# Altium PCB Ctrl_FOC.PcbDoc (part 2 of 2)
Units mil, origin at the board's own origin, x right, y up, seen from the top; angles counter-clockwise.
Board outline 2970 x 1825 mil, 4 copper layers (Top Layer, GND02, PWR03, Bottom Layer), stack 23.756 mil thick; 209 components, 152 nets, 930 pads, 427 vias.
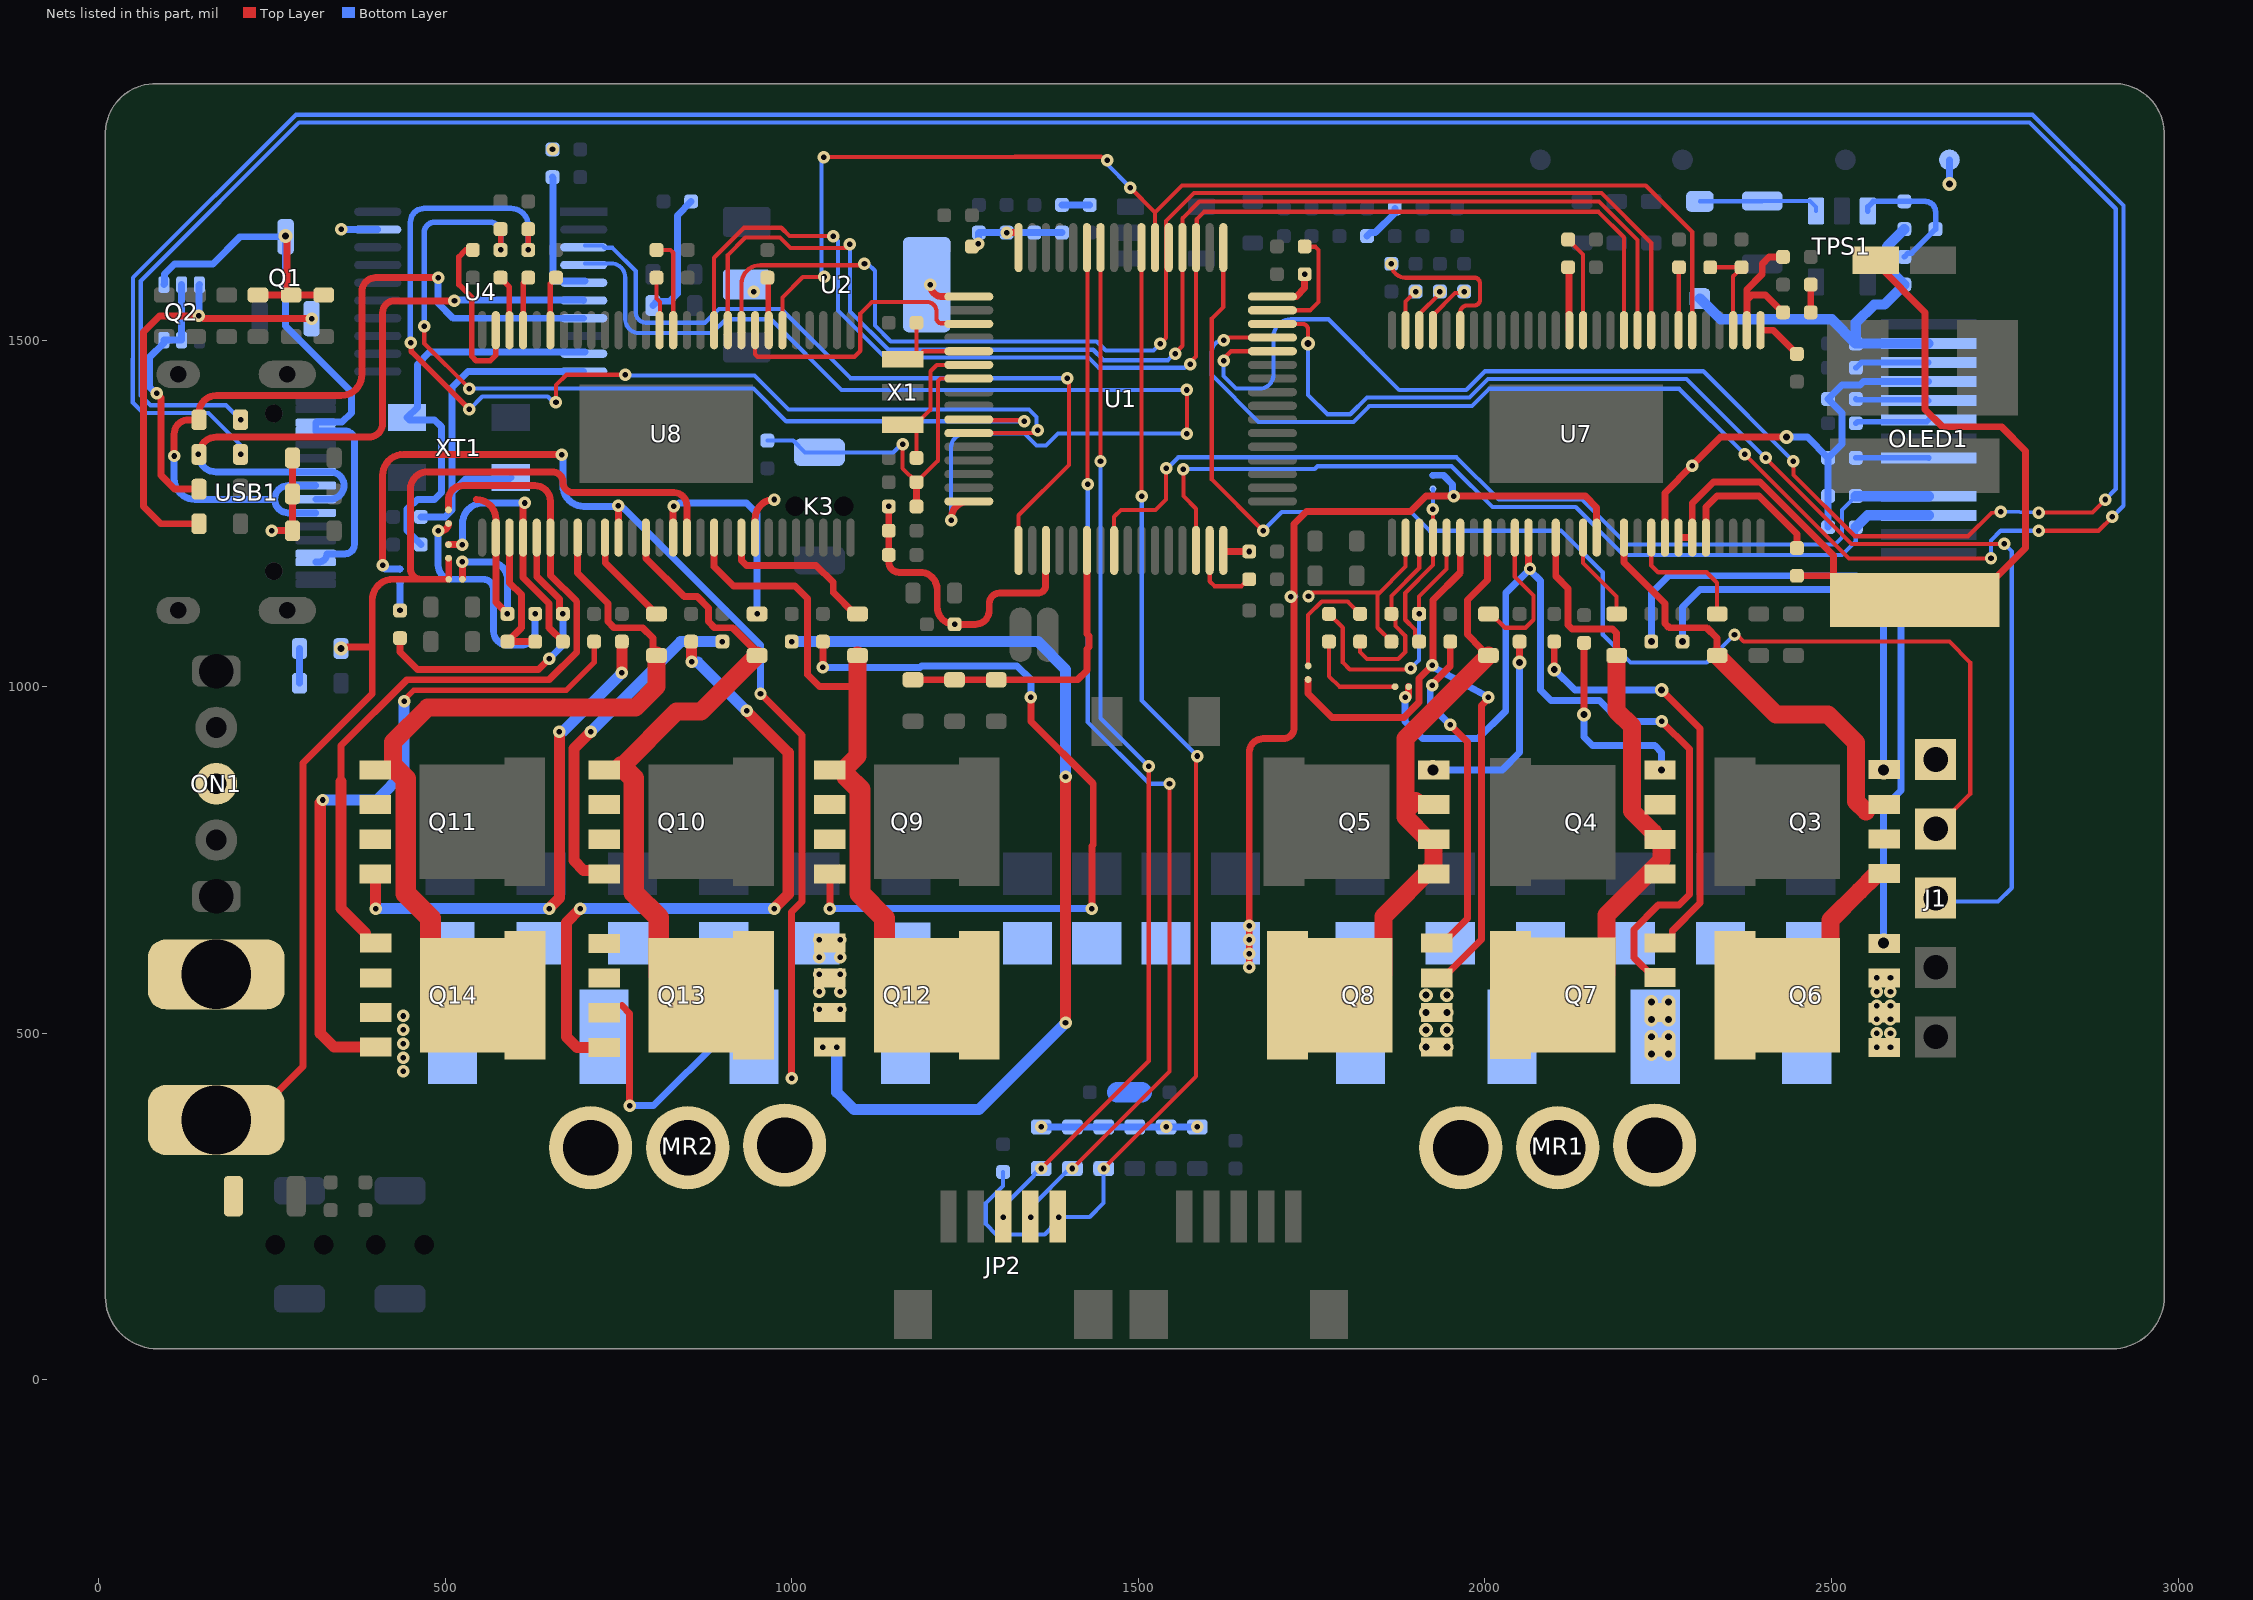
[diagram p4: the nets of this part, all layers, seen from the top]

## Via types
v1: diameter 18, hole 8, Top Layer to Bottom Layer, tented both sides, 276 vias
v2: diameter 28, hole 16, Top Layer to Bottom Layer, tented both sides, 68 vias
v3: diameter 20, hole 10, Top Layer to Bottom Layer, tented both sides, 37 vias
v4: diameter 27.56, hole 11.81, Top Layer to Bottom Layer, 36 vias
v5: diameter 40, hole 40, Top Layer to Bottom Layer, 4 vias
v6: diameter 90, hole 80, Top Layer to Bottom Layer, 4 vias
v7: diameter 18, hole 8, Top Layer to Bottom Layer, 2 vias

## Nets (pads, with @x,y where several pads share a name; then routed paths per layer and width w, separated by ;. In a path a pad name is that pad's centre, name@x,y a point inside that pad or via, vN(x,y) a via of type N, cw(c..) or ccw(c..) an arc to the next point about the centre after c; other vN are vias at no path point) (continued)
M1_ENC_A: JP2.3 R18.1 U1.58 | length 1515.8
  Top Layer w6: v1(1360,305) 1515,460 v1(1515,885) ; v1(1445.47,1325) U1.58@1445.47,1633.5
  Bottom Layer w6: v1(1305,235) 1307.3,237.3 1307.3,252.3 1349.54,294.54 1349.54,297.19 1357.35,305 v1(1360,305) ; v1(1445.47,1325) 1445.47,954.53 v1(1515,885)
M1_ENC_B: JP2.4 R19.1 U1.59 | length 1550.1
  Top Layer w6: v1(1405,305) 1545,445 v1(1545,860) ; U1.59@1425.79,1633.5 1426.87,1632.43 v1(1426.87,1291.87)
  Bottom Layer w6: v1(1345,235) 1347.3,237.3 1347.3,251.3 1401,305 v1(1405,305) ; v1(1426.87,1291.87) 1427,1291.73 1427,948.96 1515.96,860 v1(1545,860)
M1_ENC_Z: C36.2 JP2.5 R20.1 U1.55 | length 1750.2
  Top Layer w6: v1(1450,305) 1583,438 1583,898 v1(1585,900) ; v1@1504.53,1275.47 U1.55@1504.53,1633.5
  Bottom Layer w6: C36.2@1305,300 1305,280 1280,255 1280,225 1295,210 1365,210 1373.85,218.85 1373.85,220.69 1385,231.84 v1(1385,235) 1430,235 1450,255 v1(1450,305) ; v1(1505,1275) 1505,980 v1(1585,900)
M1_nCS: U1.3 U8.8 | length 431
  Top Layer w6: U8.8@947.2,1514.21 947.2,1479.51 950.72,1476 1090.44,1476 1099,1484.56 1099,1538.44 1115.56,1555 1195,1555 cw(c1195,1541) 1209,1541 1209,1531 ccw(c1215.62,1531) 1215.62,1524.38 1254.38,1524.38 U1.3@1255.5,1523.27
M1_SO1: C89.2 R55.1 U1.11 | length 1572.8
  Top Layer w6: v1(660,1410) 660,1435 675,1450 759.67,1450 v1(760,1449.67) ; U1.11@1255.5,1365.79 1350.79,1365.79 v1(1355,1370)
  Top Layer w8: v1(450.49,1496.21) 451.49,1495.21 451.49,1483.51 v1(535,1400) ; v1(620,1630) C89.2@620,1660
  Bottom Layer w6: v1(535,1400) 553.69,1418.69 648.06,1418.69 656.75,1410 v1(660,1410) ; v1(760,1449.67) 760.87,1448.8 946.2,1448.8 995.21,1399.79 1342.27,1399.79 1353,1389.05 1353,1372 v1(1355,1370)
  Bottom Layer w8: v1(450.49,1496.21) 450,1496.7 450,1670 cw(c470,1670) 470,1690 595,1690 cw(c595,1665) 620,1665 v1(620,1630)
M1_SO2: C90.2 R59.1 U1.10 | length 1334.7
  Top Layer w6: v1(470,1520) 470,1495 v1(535,1430) ; U1.10@1255.5,1385.47 1256.61,1384.36 1333.65,1384.36 v1(1335.22,1382.79)
  Top Layer w8: v1(580,1630) C90.2@580,1660
  Bottom Layer w6: v1(535,1430) 945,1430 992.21,1382.79 v1(1335.22,1382.79)
  Bottom Layer w8: v1(470,1520) 470,1655 cw(c485,1655) 485,1670 565,1670 cw(c565,1655) 580,1655 v1(580,1630)
NetC26_2: C26.2 U1.47 | length 168.6
  Top Layer w6: U1.47@1693.5,1542.95 1747.95,1542.95 1760,1555 1760,1630 1755.49,1634.51 1740.49,1634.51 C26.2@1740,1635
NetC27_2: C27.2 U1.31 | length 108.6
  Top Layer w6: U1.31@1602.95,1196.5 1602.95,1152.05 1610,1145 1648.92,1145 1658.92,1155 C27.2@1660,1155
NetC32_2: C32.2 U4.5 | length 196.5
  Bottom Layer w10: C32.2@655,1735 656,1734 656,1585 U4.5@702.09,1585
NetC33_2: C33.2 U4.9 XT1.1 | length 602
  Bottom Layer w10: C33.2@465,1205 445,1225 445,1256.21 453.79,1265 455,1265 460,1270 485,1270 495,1280 495,1375 485,1385 448.5,1385 XT1.1@445.2,1388.31 445.31,1388.31 460,1402.99 460,1465 477.64,1482.64 U4.9@702.09,1482.64
NetC34_2: C34.2 U4.10 XT1.3 | length 519.3
  Bottom Layer w10: C34.2@465,1245 500,1245 510,1255 510,1280 ; XT1.3@594.8,1301.69 593.11,1300 530,1300 510,1280 ; U4.10@700,1454.68 532.81,1454.68 510,1431.87 510,1280
NetC51_1: C51.1 R26.1 R30.2 TPS1.3 | length 202
  Bottom Layer w8: TPS1.3@2552.4,1686.18 2552.4,1692.19 2560.21,1700 C51.1@2605,1700 2635,1700 cw(c2635,1685) 2650,1685 R30.2@2650,1660 2615.38,1625.38 2610.38,1625.38 R26.1@2605,1620
NetC59_2: C59.2 OLED1.3 | length 108.2
  Bottom Layer w8: C59.2@2535,1460 2535.54,1460 2543.22,1467.68 OLED1.3@2640,1467.68
NetC60_1: C60.1 R31.2 U7.2 | length 203.8
  Top Layer w10: U7.2@2377.76,1514.21 2377.76,1560 ; R31.2@2430,1540 2405,1565 2385,1565 2380,1560 2377.76,1560 ; C60.1@2430,1620 2410,1620 2400,1610 2400,1595 2377.76,1572.76 2377.76,1560
NetC61_1: C61.1 R31.1 | length 40
  Top Layer w10: R31.1@2470,1540 C61.1@2470,1580
NetC65_1: C65.1 D7.K L3.1 U7.50 U7.51 | length 1279.9
  Top Layer w10: U7.50@2279.33,1215 U7.51@2299.02,1215 2299.02,1264.02 2330,1295 2396.62,1295 2502.56,1189.06 L3.1@2502.56,1158.98 ; C65.1@2450,1160 2501.54,1160 L3.1@2502.56,1158.98 ; D7.K@2567.5,1607.5 2635,1540 2635,1400 2660,1375 2745,1375 2780,1340 2780,1200 2738.98,1158.98 2653.98,1158.98 L3.1@2620,1125 2536.54,1125 L3.1@2502.56,1158.98
NetC65_2: C65.2 U7.52 | length 224.8
  Top Layer w10: U7.52@2318.7,1215 2319.05,1215.35 2319.05,1259.05 2335,1275 2395.4,1275 2450,1220.4 C65.2@2450,1200
NetC67_1: C67.1 U7.48 | length 190.4
  Top Layer w6: U7.48@2239.96,1215 2239.96,1175.04 2250,1165 2320,1165 2335,1150 C67.1@2335,1105
NetC68_1: C68.1 U7.43 | length 130.1
  Top Layer w6: U7.43@2141.54,1215 2141.54,1178.46 2190,1130 C68.1@2190,1105
NetC70_1: C70.1 U7.14 | length 139.7
  Top Layer w6: C70.1@2120,1645 2141.54,1623.46 U7.14@2141.54,1514.21
NetC70_2: C70.2 U7.15 | length 91.6
  Top Layer w10: C70.2@2120,1605 2121.5,1603.5 2121.5,1514.56 U7.15@2121.85,1514.21
NetC71_1: C71.1 U7.38 | length 207.6
  Top Layer w6: C71.1@2005,1105 2009,1105 2029,1085 2058.38,1085 2070,1096.62 2070,1131.62 2043.11,1158.51 U7.38@2043.11,1215
NetC72_1: C72.1 U7.23 | length 233.7
  Top Layer w6: v1(1865,1610) ccw(c1885,1610) 1885,1590 1985,1590 cw(c1985,1582.26) 1992.74,1582.26 1992.74,1557.74 cw(c1985,1557.74) 1985,1550 1975,1550 ccw(c1975,1539.37) 1964.37,1539.37 U7.23@1964.37,1514.21 U7.23@1965.48,1515.32
NetC73_2: C73.2 R39.1 U7.33 | length 391.4
  Top Layer w6: R39.1@1775,1105 1795,1085 1795,1035 1805,1025 1891.26,1025 v1(1893.13,1026.87) ; C73.2@1905,1105 v1(1905,1105.33) 1905,1130 1944.68,1169.68 U7.33@1944.68,1215
  Bottom Layer w6: v1(1893.13,1026.87) 1894.51,1028.25 1895,1028.25 1905,1038.25 v1(1905,1105.33)
NetC76_2: C76.2 U7.27 | length 61.7
  Top Layer w6: U7.27@1885.63,1514.21 1885.63,1555.63 v1(1900,1570)
NetC79_2: C79.2 R45.1 U7.31 | length 278.3
  Top Layer w6: R45.1@1820,1065 1820,1050 1830,1040 1875,1040 1885,1050 1885,1073.38 1870.77,1087.62 1870.77,1099.23 C79.2@1865,1105 1865,1130.89 1905.31,1171.2 U7.31@1905.31,1215
NetC82_1: C82.1 U8.48 | length 240.3
  Top Layer w10: U8.48@927.52,1215 927.87,1214.65 927.87,1182.13 935,1175 1035,1175 1060,1150 1060,1136 1091,1105 C82.1@1095,1105
NetC83_1: C83.1 U8.43 | length 318.1
  Top Layer w10: U8.43@829.09,1215 829.09,1255.98 v1(829.78,1260)
  Bottom Layer w10: v1(829.78,1260) 834.9,1262.74 837.16,1265 935,1265 950,1250 v1(950,1105)
NetC85_1: C85.1 U8.14 | length 137.5
  Top Layer w6: C85.1@805,1630 825,1630 829.09,1625.91 U8.14@829.09,1514.21
NetC85_2: C85.2 U8.15 | length 78.1
  Top Layer w6: C85.2@805,1590 805,1560 810,1555 810,1514.8 U8.15@809.41,1514.21
NetC86_1: C86.1 U8.38 | length 140.8
  Top Layer w10: U8.38@730.67,1215 731.02,1214.65 731.02,1178.98 C86.1@805,1105
NetC87_1: C87.1 U8.23 | length 79.1
  Top Layer w8: U8.23@651.93,1514.21 651.93,1581.39 660,1589.46 C87.1@660,1590
NetC88_2: C88.2 R54.1 U8.33 | length 450.5
  Top Layer w10: R54.1@435,1070 435,1050 460,1025 635,1025 v1(650,1040) ; U8.33@632.24,1215 632.24,1159.12 665,1126.36 665,1110 v1(670,1105)
  Bottom Layer w10: v1(650,1040) 670,1060 v1(670,1105)
NetC91_2: C91.2 U8.27 | length 252.3
  Top Layer w8: C91.2@540,1630 529.69,1630 525,1625.31 525,1625 520,1620 520,1580 538.6,1561.4 538.6,1476.4 545,1470 565,1470 573.19,1478.19 U8.27@573.19,1514.21
NetC94_2: C94.2 R60.1 U8.31 | length 205.4
  Top Layer w10: U8.31@592.87,1215 592.87,1149.82 610,1132.69 610,1085 C94.2@590,1065 R60.1@630,1065
NetD1_1: D1.1 R1.1 | length 183.4
  Bottom Layer w10: R1.1@800,1550 805.96,1556 824.14,1556 835,1566.86 835,1680 D1.1@855,1700
NetD2_1: D2.1 R2.1 | length 40
  Bottom Layer w10: R2.1@1390,1695 D2.1@1430,1695
NetD3_1: D3.1 R12.2 | length 35
  Bottom Layer w30: R12.2@1470,415 D3.1@1505,415
NetD4_1: D4.1 R10.1 | length 60.5
  Bottom Layer w10: R10.1@1830,1650 1835,1655 1841.77,1655 1870,1683.23 D4.1@1870,1690
NetD5_1: D5.1 L2.1 TPS1.1 | length 177
  Bottom Layer w6: D5.1@2310,1700 2310.28,1700.28 2399.72,1700.28 L2.1@2400,1700.55 2468.79,1700.55 2477.6,1691.74 TPS1.1@2477.6,1686.18
NetD6_1: D6.1 R25.1 | length 50
  Bottom Layer w10: R25.1@290,1005 D6.1@290,1055
NetDC1_1: DC1.1 ON1.2
NetOLED1_5: OLED1.5 R29.1 | length 106
  Bottom Layer w8: R29.1@2535,1415 2536.22,1413.78 2638.78,1413.78 OLED1.5@2640,1412.56
NetOLED1_6: OLED1.6 R28.1 | length 107.1
  Bottom Layer w8: R28.1@2535,1380 2537.5,1382.5 2637.5,1382.5 OLED1.6@2640,1385
NetOLED1_8: OLED1.8 R27.1 | length 105
  Bottom Layer w8: R27.1@2535,1330 2535.06,1329.94 2639.94,1329.94 OLED1.8@2640,1329.88
NetQ1_1: Q1.1 Q2.3 R5.2 | length 633.4
  Top Layer w10: R5.2@145,1235 90,1235 64.81,1260.19 64.81,1511.73 88.08,1535 v7(145,1535) ; v7@151.22,1530.94 v7(307.4,1530.94)
  Bottom Layer w10: v7(145,1535) 145.3,1535.3 145.3,1579.7 Q2.3@145.59,1580
NetQ2_2: Q2.2 Q2.5 Q2.6 R3.1 | length 379.9
  Top Layer w10: v1(83.81,1423) 90,1416.81 90,1305 110,1285 R3.1@145,1285
  Bottom Layer w10: v1(83.81,1423) 82.95,1423 73.5,1432.44 73.5,1462.85 74,1463.34 74,1475.59 94.41,1496 Q2.6@94.41,1500 Q2.5@120,1500 Q2.2@120,1580
NetQ3_G: Q3.G R34.2 | length 586.4
  Bottom Layer w10: v3(2285,1065) 2285,1115 2310,1140 2534.04,1140 2575,1099.04 v2(2575,880)
NetQ4_G: Q4.G R35.2 | length 282.5
  Top Layer w6: v3(2142.82,960) 2142.82,963.34 v3@2143.08,963.6
  Top Layer w10: v3@2143.08,963.6 R35.2@2143.08,1063.22
  Bottom Layer w10: v3(2142.82,960) 2142.82,927.17 2155,915 2245,915 2255,905 v3(2255,880)
NetQ5_G: Q5.G R36.2 | length 295.4
  Top Layer w10: v3(2050,1035) R36.2@2050,1065
  Bottom Layer w10: v2(1925,880) 2025,880 2050,905 v3(2050,1035)
NetQ6_G: Q6.G R41.2 | length 944.1
  Top Layer w6: Q6.G@2576.02,629.72 Q6.G@2576.93,630.63
  Bottom Layer w10: v3(2240,1065) 2240,1135 2265,1160 2535.25,1160 2600,1095.25 2600,850 2575,825 v2(2575,630)
NetQ7_G: Q7.G R42.2 | length 616.8
  Top Layer w10: v3(2100,1025) R42.2@2100,1065 ; Q7.G@2252.56,630.28 2261.42,630.28 2270.2,639.06 2270.2,647.91 2310,687.72 2310,940 v3@2260,990
  Bottom Layer w10: v3(2100,1025) 2130,995 v3(2255,995)
NetQ8_G: Q8.G R43.2 | length 492.8
  Top Layer w10: v1(1924,1002.18) 1924,1004 1950,1030 R43.2@1950,1065 ; Q8.G@1930.63,630 1939.49,630 1975,665.51 1975,920 v1(1950,945)
  Bottom Layer w10: v1(1924,1002.18) 1924,1001.67 1921.16,998.84 1921.16,973.84 v1(1950,945)
NetQ9_G: Q9.G R50.2 | length 1142.2
  Top Layer w10: v1(1045,1028) R50.2@1045,1065 ; v1(1055,680) Q9.G@1055,730 ; v1(1345,985) 1345,950 1435,860 1435,772.08 1433,770.08 v1(1433,680)
  Bottom Layer w10: v1(1045,1028) 1185.08,1028 1187.08,1030 1325,1030 1345,1010 v1(1345,985) ; v1(1055,680) v1(1433,680)
NetQ10_G: Q10.G R51.2 | length 491.2
  Top Layer w16: v1(710,935) 686,911 686,749 700,735 724.57,735 Q10.G@729.57,730
  Bottom Layer w16: v1(710,935) 840,1065 v1(900,1065)
NetQ11_G: Q11.G R52.2 | length 731.7
  Top Layer w16: Q11.G@399.37,730 399.68,729.68 399.68,680.32 v1(400,680) ; v1(650,680) 665,695 v1(665,935) ; v1(755,1020) R52.2@755,1065
  Bottom Layer w16: v1(400,680) v1(650,680) ; v1(665,935) 665.38,935.38 670.38,935.38 v1(755,1020)
NetQ12_G: Q12.G R56.2 | length 1378.7
  Top Layer w16: v1(1395,515) v1(1395,870)
  Bottom Layer w16: v1(1000,1065) 1355,1065 1395,1025 v1(1395,870) ; v1(1065,480) 1065,415 1090,390 1270,390 v1(1395,515)
  other v1: 1045,480
NetQ13_G: Q13.G R57.2 | length 990
  Top Layer w8: R57.2@855,1065 R57.2@855.47,1064.53 ; v1@855.47,1036.4 v1(855.93,1035.93)
  Top Layer w16: v1(695,680) 675,660 675,495 690.28,479.72 Q13.G@729.37,479.72 ; v1@855.47,1036.4 R57.2@855.47,1064.53 ; v1(935,965) 995,905 995,700.54 975,680.54 v1(975,680)
  Bottom Layer w16: v1(695,680) v1(975,680) ; v1(855.93,1035.93) 856.32,1035.55 864.45,1035.55 v1(935,965)
NetQ14_G: Q14.G R58.2 | length 991.5
  Top Layer w8: v1(440.93,979.07) 440.93,980.93 455,995 675,995 715,1035 R58.2@715,1065
  Top Layer w16: v1(323.43,836.57) 323.43,836.02 320,832.59 320,500 340,480 Q14.G@400,480
  Bottom Layer w16: v1(323.43,836.57) 401.57,836.57 440.93,875.93 v1(440.93,979.07)
NetR32_2: R32.2 U7.1 | length 66.7
  Top Layer w10: U7.1@2397.44,1514.21 2415.79,1514.21 R32.2@2450,1480
NetR33_1: R33.1 R37.2 U7.3 | length 140.7
  Top Layer w6: R37.2@2325,1605 R33.1@2370,1605 2370,1603.92 2358.07,1591.99 U7.3@2358.07,1514.21
NetR38_2: R38.2 U7.7 | length 91.1
  Top Layer w6: U7.7@2279.33,1514.21 2279.67,1514.55 2279.67,1604.67 R38.2@2280,1605
NetR40_2: R40.2 U7.25 | length 80.8
  Top Layer w6: U7.25@1925,1514.21 1925,1535.87 1956.84,1567.7 1967.7,1567.7 v1(1970,1570)
NetR44_2: R44.2 U7.26 | length 68.1
  Top Layer w6: U7.26@1905.31,1514.21 1905.31,1537.44 1935,1567.12 v1(1935,1570)
NetR53_2: R53.2 U8.7 | length 76.6
  Top Layer w8: R53.2@965,1590 966.16,1588.84 966.16,1514.94 U8.7@966.89,1514.21
NetR55_2: R55.2 U8.25 | length 78.9
  Top Layer w8: U8.25@612.56,1514.21 612.56,1582.02 620,1589.46 R55.2@620,1590
NetR59_2: R59.2 U8.26 | length 81.1
  Top Layer w8: R59.2@580,1590 580,1589.46 592.87,1576.58 U8.26@592.87,1514.21
nFAULT: U1.54 U7.6 U8.6 | length 1822.3
  Top Layer w6: U8.6@986.57,1514.21 986.57,1561.57 1016,1591 v1(1047.08,1591) ; v1(1046,1764) 1321.73,1764 1322.27,1764.54 1446.19,1764.54 1451.64,1759.1 v1(1454.89,1759.1) ; v1(1488.43,1720) 1524.21,1684.21 ; U1.54@1524.21,1633.5 1524.21,1684.21 ; U7.6@2299.02,1514.21 2299.02,1655.98 2232,1723 1563,1723 1524.21,1684.21
  Bottom Layer w6: v1(1046,1764) 1043,1761 1043,1595.08 v1(1047.08,1591) ; v1(1454.89,1759.1) 1454.89,1754.13 1454.59,1753.83 v1(1488.43,1720)
OSC_IN: C16.2 U1.5 X1.1 | length 145.5
  Top Layer w6: C16.2@1180,1525 1180,1481.06 1171.19,1472.24 1178.19,1472.24 1189.84,1483.9 U1.5@1255.5,1483.9
OSC_OUT: C17.2 U1.6 X1.3 | length 217.9
  Top Layer w6: X1.3@1140,1368.94 1148.81,1377.76 X1.3@1140.78,1385.79 ; C17.2@1180,1330 1180,1375.94 1178.19,1377.76 1200,1399.57 1200,1455 1209.21,1464.21 U1.6@1255.5,1464.21
PGND: C37.1 C38.1 C39.1 C40.1 C41.1 C42.1 C43.1 C44.1 C45.1 C46.1 C47.1 C48.1 C49.1 C55.1 C56.1 C57.1 D6.2 DC1.2 L1.1 NT4.2 NT5.2 NT8.2 NT9.2 Q6.S Q12.S R46.1 R47.1 R61.1 R62.1 U7.44 U8.44 | length 2940.8
  Top Layer w10: DC1.2@170,375 218,375 295,452 295,890 395,990 395,1125 cw(c425,1125) 425,1155 465,1155 ; v3(350,1055) 351.91,1056.91 358.98,1056.91 359.57,1057.5 390,1057.5 ; NT8.2@505,1185.32 505.32,1185.32 NT9.2@505.32,1155 465,1155 ; U8.44@848.78,1215 848.78,1261.22 ccw(c830,1261.22) 830,1280 685,1280 cw(c685,1295) 670,1295 ccw(c655,1295) 655,1310 475,1310 ccw(c475,1285) 450,1285 450,1170 ccw(c465,1170) 465,1155 ; v1@1656.79,615.64 1660,618.85 v1(1660,635) v1(1660,655) 1660,905 cw(c1680,905) 1680,925 1709.14,925 ccw(c1709.14,940.37) 1724.51,940.37 1724.51,1234.51 1742.56,1252.56 1892.56,1252.56 1915,1275 v1(1955,1275) 2145,1275 2161.22,1258.78 U7.44@2161.22,1215 ; v1(1660,595) v1(1660,615)
  Bottom Layer w10: NT4.2@1925,1305 1940,1305 1953.47,1291.53 1953.47,1276.53 v1(1955,1275)
  other v1: 2565,480 2585,480 2565,500 2585,500 2565,520 2585,520 1040,535 1070,535 2565,540 2585,540 1040,560 1070,560 2565,560 2585,560 2565,580 2585,580 1040,585 1070,585 1040,610 1070,610 1040,635 1070,635 1720,1130
RESET: C24.2 C28.1 K3.1 R8.2 U1.7 | length 510.1
  Top Layer w6: v1(1160,1350) 1160,1315 C28.1@1180,1295 1211,1326 1211,1441 1214.53,1444.53 U1.7@1255.5,1444.53
  Top Layer w10: R8.2@1180,1260 C28.1@1180,1295
  Bottom Layer w6: C24.2@965,1355 1002.21,1355 1019.21,1338 K3.1@1040,1338 1146.54,1338 1158.54,1350 v1(1160,1350)
SCL: OLED1.10 R24.1 U1.24 | length 1390
  Top Layer w6: U1.24@1465.16,1196.5 1465.16,1245.16 1475,1255 1525,1255 1540,1270 v1(1540,1315)
  Bottom Layer w6: v1(1540,1315) 1541.71,1315 1557.58,1330.87 1959.13,1330.87 2020,1270 2140,1270 2205,1205 2505,1205 2515,1215 2515,1255 R24.1@2535,1275
  Bottom Layer w15: R24.1@2535,1275 2535.12,1274.88 2639.88,1274.88 OLED1.10@2640,1274.76
SDA: OLED1.11 R23.1 U1.30 | length 1290.6
  Top Layer w6: v1(1564.62,1313.87) 1565,1313.5 1565,1275 1583.27,1256.73 U1.30@1583.27,1196.5
  Bottom Layer w6: v1(1564.62,1313.87) 1754.56,1313.87 1758.69,1318 1952,1318 2011,1259 2131,1259 2200,1190 2515,1190 2535,1210 R23.1@2535,1230
  Bottom Layer w15: R23.1@2535,1230 2552.2,1247.2 OLED1.11@2640,1247.2
SH1_A: C82.2 MR2.3 Q9.S Q12.D U8.46 | length 902.3
  Top Layer w10: U8.46@888.15,1215 888.15,1173.06 916.21,1145 1005,1145 1022.72,1127.28 1022.72,1017.28 1040,1000 1090,1000 1095,995
  Top Layer w26: 1080,885 1095,900 1095,995 C82.2@1095,1045
  Top Layer w30: 1080,870 1098.35,851.65 1098.35,701.65 1133.98,666.02 1133.98,583.31 Q12.D@1162.28,555
SH1_B: C83.2 MR2.2 Q10.S Q13.D U8.41 | length 886.7
  Top Layer w10: U8.41@789.72,1215 790.07,1214.65 790.07,1184.93 845,1130 863.79,1130 880,1113.79 880,1093.79 888.79,1085 915,1085 C83.2@952.5,1047.5
  Top Layer w26: 755,885 834,964 869,964 C83.2@950,1045
  Top Layer w30: 755,885 772.2,867.8 772.2,702.8 808.35,666.65 808.35,583.03 Q13.D@836.65,554.72
SH1_C: C86.2 MR2.1 Q11.S Q14.D U8.36 | length 1059.3
  Top Layer w10: U8.36@691.3,1215 691.3,1163.7 735,1120 735,1093.79 743.79,1085 785,1085 800,1070 800,1050 C86.2@805,1045
  Top Layer w26: 425,885 425,920 475,970 775,970 805,1000 C86.2@805,1045
  Top Layer w30: 425,885 443.35,866.65 443.35,701.65 478.98,666.02 Q14.D@478.98,582.4
SH_A: C67.2 MR1.3 Q3.S Q6.D U7.46 | length 784
  Top Layer w10: U7.46@2200.59,1215 2200.59,1179.41 2260,1120 2260,1090.86 2265.86,1085 2320,1085 2335,1070 C67.2@2335,1045
  Top Layer w26: C67.2@2335,1045 2420,960 2495,960 2535.39,919.61 2535.39,834.61 2550,820 ; Q6.D@2498.65,585.31 2498.65,663.65 2540,705 Q3.S@2562.5,727.5
SH_B: C68.2 MR1.2 Q4.S Q7.D U7.41 | length 783.2
  Top Layer w10: U7.41@2102.17,1215 2102.17,1159.45 2120,1141.62 2120,1089.09 2125.86,1083.22 2184.14,1083.22 2190,1077.37 C68.2@2190,1045
  Top Layer w26: Q7.D@2145.28,555.28 2175.58,585.58 2175.58,670.58 2255,750 2255,765 ; C68.2@2190,1045 2190,965 2211.92,943.08 2211.92,820.36 2242.92,789.36 2242.92,780.5 Q4.S@2243.7,779.72
SH_C: C71.2 MR1.1 Q5.S Q8.D U7.36 | length 805.4
  Top Layer w10: C71.2@1995.31,1054.69 1975,1075 1975,1125 2003.74,1153.74 U7.36@2003.74,1215
  Top Layer w26: Q8.D@1823.35,555 1853.65,585.31 1853.65,668.65 1926.02,741.02 Q5.S@1926.02,780 1917.17,780 1885.39,811.78 1885.39,829.61 ; 1900,835 1890,825 1885.39,829.61 ; C71.2@2005,1045 1885.39,925.39 1885.39,829.61
SL1_B: NT6.2 Q13.S R61.2 U8.39 | length 1936.8
  Top Layer w10: v1(410,1175) 410,1305 cw(c440,1305) 440,1335 665,1335 665.39,1334.61 v1(668.52,1334.61) ; v1(750,1261) U8.39@750.35,1215 ; 755,540 766.2,528.8 v1(766.2,395.61) ; v1(955,990) 1015,930 1015,690 1000,675 v1(1000,435)
  Bottom Layer w10: v1(410,1175) ccw(c415.32,1175) 415.32,1169.68 NT6.2@435,1169.68 ; v1(668.52,1334.61) 670,1333.13 670,1290 ccw(c700,1290) 700,1260 751.16,1260 ccw(c751.16,1261) 752.16,1261 756.16,1257 758,1257 955,1060 v1(955,990) ; v1(766.2,395.61) 800.61,395.61 900,495 R61.2@945.75,495
SL1_C: NT7.2 Q14.S R62.2 U8.34 | length 1126.5
  Top Layer w10: 350,863.13 350,915 445,1010 650,1010 690,1050 690,1122.57 651.93,1160.64 U8.34@651.93,1215 651.93,1268.07 ccw(c630,1268.07) 630,1290 525,1290 ccw(c525,1270) 505,1270 NT7.2@505,1255
  Top Layer w16: 350,863.13 350,680 385.36,644.64 385.36,635.78 391.14,630 Q14.S@400,630
  other v1: 440,445 440,465 440,485 440,505 440,525
SL_B: NT2.2 Q7.S R46.2 U7.39 | length 1320.3
  Top Layer w10: v1@1890,985.08 NT2.2@1890,1000 ; U7.39@2063.14,1215.35 U7.39@2062.8,1215 2063.14,1214.65 2063.14,1174.02 2065,1172.16 v1(2065,1170) ; Q7.S@2252.56,580.28 2243.7,580.28 2215,608.98 2215,650 2250,685 2280,685 2295,700 2295,910 v1(2255,950)
  Bottom Layer w10: v1(1885,985) 1885,950 1910,925 1990,925 2030,965 2030,1135 v1(2065,1170) 2065,1167.84 2080,1152.84 2080,995 2095,980 2165,980 2195,950 v1(2255,950)
  other v3: 2240,470 2265,470 2240,495 2265,495 2240,520 2265,520 2240,545 2265,545
SL_C: NT3.2 Q8.S R47.2 U7.34 | length 1008.8
  Top Layer w6: Q8.S@1921.77,580 Q8.S@1930.63,580
  Top Layer w10: NT3.2@1745,1010.32 1745,990 1779.34,955.66 1883.13,955.66 1905,977.53 1905,1011.87 v1(1924.11,1030.98) 1925,1031.87 1925,1125 1964.37,1164.37 U7.34@1964.37,1215 ; Q8.S@1930.63,580 1939.49,580 1995,635.51 1995,972.84 2005,982.84 v1(2005,985)
  Bottom Layer w10: v1(1924.11,1030.98) 1928.41,1026.69 2004.64,985 v1(2005,985)
  other v3: 1915,480 1945,480 1915,505 1945,505 1915,530 1945,530 1915,555 1945,555
SN1: NT2.1 R39.2 | length 151.5
  Top Layer w6: R39.2@1775,1065 1775,1015 1790,1000 NT2.1@1870.32,1000
SN1_1: NT6.1 R54.2 | length 40
  Bottom Layer w10: v1(435,1110) NT6.1@435,1150
SN1_2: NT7.1 R60.2 | length 338.7
  Top Layer w10: v1(490,1225) 494.68,1225 ccw(c494.68,1235.32) NT7.1@505,1235.32
  Bottom Layer w10: v1(490,1225) 490,1175 ccw(c510,1175) 510,1155 555,1155 cw(c555,1140) 570,1140 570,1080 ccw(c590,1080) 590,1060 610,1060 ccw(c610,1080) 630,1080 v1(630,1105)
SN2: NT3.1 R45.2 | length 164
  Top Layer w6: NT3.1@1745,1030 1745,1103.38 1764.62,1123 1802,1123 R45.2@1820,1105
SP1: C73.1 NT4.1 U7.32 | length 245.2
  Top Layer w6: C73.1@1905,1065 1899.23,1070.77 1899.23,1082.38 1885,1096.62 1885,1135.33 1925,1175.33 U7.32@1925,1215 v1(1925,1256)
  Bottom Layer w6: v1(1925,1256) NT4.1@1925,1285.32
SP1_1: C88.1 NT8.1 U8.32 | length 382.3
  Top Layer w10: NT8.1@505,1205 v1(525,1205) ; v1(615,1265) ccw(c615,1262.56) 612.56,1262.56 U8.32@612.56,1215 612.56,1157.44 650,1120 650,1085 C88.1@670,1065
  Bottom Layer w10: v1(525,1205) 525,1235 cw(c555,1235) 555,1265 v1(615,1265)
SP1_2: C94.1 NT9.1 U8.30 | length 342.3
  Top Layer w10: NT9.1@525,1155 v1(525,1180) ; 545,1270 cw(c545,1241.81) 573.19,1241.81 U8.30@573.19,1215 573.19,1121.81 v1(590,1105)
  Bottom Layer w10: v1(525,1180) 565,1180 cw(c565,1155) 590,1155 v1(590,1105)
SP2: C79.1 NT5.1 U7.30 | length 286.2
  Top Layer w6: v1@1744.68,1125 1744.68,1126.04 1745.5,1126.85 v1(1745.5,1130.5) 1751,1136 1848.48,1136 ; C79.1@1865,1065 1845,1085 1845,1132.52 1885.63,1173.15 U7.30@1885.63,1215
SPI_MISO: U1.52 U7.10 U8.10 | length 1923.1
  Top Layer w6: U8.10@907.83,1514.21 907.83,1622.83 933,1648 983.38,1648 998.38,1633 1080.49,1633 1084,1636.51 v1(1084,1638.04) ; v1(1553.38,1480) 1553.38,1481.62 1563.58,1491.83 U1.52@1563.58,1633.5 1563.58,1675.63 1587.96,1700 2164.5,1700 2220.28,1644.22 U7.10@2220.28,1514.21
  Bottom Layer w6: v1(1084,1638.04) 1084,1541.4 1139.4,1486 1435,1486 1450,1471 1542.75,1471 1551.75,1480 v1(1553.38,1480)
SPI_MOSI: U1.53 U7.9 U8.9 | length 1841.9
  Top Layer w6: U8.9@927.52,1514.21 927.52,1580.9 cw(c954.62,1580.9) 954.62,1608 1103,1608 v1(1105,1610) ; v1(1531.75,1495) 1540,1503.25 1540,1671.73 1580.27,1712 2168.05,1712 2239.96,1640.09 U7.9@2239.96,1514.21
  Bottom Layer w6: v1(1105,1610) 1110,1610 1120,1600 1120,1520.96 1142.96,1498 1440,1498 1453,1485 1521.75,1485 v1(1531.75,1495)
SPI_SCK: U1.51 U7.11 U8.11 | length 1936.9
  Top Layer w6: U8.11@888.15,1514.21 888.15,1618.71 931.44,1662 984.93,1662 996.93,1650 v1(1060,1650) ; v1(1575,1465) 1575,1468.25 1583.27,1476.51 U1.51@1583.27,1633.5 1584.38,1634.62 1584.38,1674.38 1595,1685 2163.94,1685 2200.59,1648.35 U7.11@2200.59,1514.21
  Bottom Layer w6: v1(1060,1650) 1067,1643 1067,1542.85 1134.85,1475 1428,1475 1443,1460 1566.75,1460 1571.75,1465 v1(1575,1465)
SWCLK: J1.4 U1.49 | length 1914.1
  Top Layer w6: U1.49@1622.64,1633.5 1622.64,1547.64 1606,1531 1606,1299 v1(1680,1225) ; v1(2360,1075) 2363.25,1075 2373.25,1065 2670,1065 2700,1035 2700,845 J1.4@2650,795
  Bottom Layer w6: v1(1680,1225) 1706.95,1251.95 1891.95,1251.95 1892.51,1252.51 1920,1225.03 2109.97,1225.03 2170,1165 2170,1075 2210,1035 2320,1035 v1(2360,1075)
SWDIO: J1.3 U1.46 | length 1906.5
  Top Layer w6: U1.46@1693.5,1523.27 1736.73,1523.27 cw(c1736.73,1515) 1745,1515 v3(1745,1495) ; v1(2405,1330) 2529,1206 v1(2749,1206)
  Bottom Layer w6: v3(1745,1495) 1745,1420.96 1772.96,1393 1805.67,1393 1829.67,1417 1977.56,1417 2004.56,1444 2291,1444 v1(2405,1330) ; J1.3@2650,695 2655,690 2740,690 2760,710 2760,1195 v1(2749,1206)
USART_RX: U1.16 U4.4 | length 1582
  Top Layer w6: v1(1570,1365) v1(1570,1428)
  Top Layer w10: v1(1230,1240) 1230,1241.87 cw(c1255.5,1241.87) U1.16@1255.5,1267.36
  Bottom Layer w6: U4.4@702.09,1610.59 739.41,1610.59 cw(c739.41,1590) 760,1590 760,1530 ccw(c780,1530) 780,1510 885,1510 905,1530 970,1530 1072,1428 v1(1570,1428) ; v1(1230,1240) 1230,1345 cw(c1250,1345) 1250,1365 1335.96,1365 1352.96,1348 1367.04,1348 1384.04,1365 v1(1570,1365) v1@1575,1365
USART_TX: U1.17 U4.3 | length 1108.2
  Top Layer w6: U1.17@1327.36,1196.5 1327.36,1247.36 1400,1320 1400,1442.79 v1(1397.79,1445)
  Bottom Layer w6: U4.3@702.09,1636.18 727.3,1636.18 730.4,1633.09 741.42,1633.09 775,1599.51 775,1540 ccw(c790,1540) 790,1525 875,1525 895,1545 985,1545 1085,1445 v1(1397.79,1445)
USB_5V: C9.2 C10.2 C11.2 Q1.3 Q2.1 USB1.A4 USB1.A9 USB1.B4 USB1.B9 | length 1042.4
  Top Layer w10: C9.2@230,1565 C10.2@277.88,1565 ; v3(270,1650) 271.91,1648.09 271.91,1570.96 C10.2@277.88,1565 ; C11.2@325,1565 C10.2@278,1565 C10.2@277.88,1565
  Bottom Layer w10: Q2.1@94.41,1580 95,1580.59 95,1595 110,1610 165,1610 204.06,1649.06 Q1.3@270,1649.06 270,1520.26 320.43,1469.84 365,1425.26 365,1395 351.57,1381.57 314.33,1381.57 USB1.A9@313.43,1380.67 USB1.B4@313.43,1368.86 349.21,1368.86 355.63,1368.86 cw(c355.63,1355.28) 369.21,1355.28 369.21,1205.28 cw(c355.63,1205.28) 355.63,1191.69 329.53,1191.69 cw(c317.72,1191.69) 317.72,1179.88 USB1.A4@313.43,1179.88
USB_D+: R21.1 U4.6 USB1.A6 USB1.B6 | length 1038.6
  Top Layer w10: R21.1@145,1335 cw(c170,1335) 145.33,1339.06 cw(c170,1335) 170,1360 390,1360 ccw(c390,1380) 410,1380 410,1540 cw(c426.51,1540) 426.51,1556.51 v1(513.58,1556.51)
  Bottom Layer w10: v1(144.21,1335.28) ccw(c169.69,1335.28) 169.69,1309.8 USB1.B6@313.43,1309.8 334.69,1309.8 cw(c334.69,1290.28) 354.21,1290.28 cw(c334.37,1290.28) 334.37,1270.43 USB1.A6@313.43,1270.43 ; v1(513.58,1556.51) 514.71,1557.64 699.41,1557.64 U4.6@700,1557.05
USB_D-: R17.1 U4.7 USB1.A7 USB1.B7 | length 1188.2
  Top Layer w10: v1(109.21,1332.78) 109.21,1364.21 cw(c130,1364.21) 130,1385 R17.1@145,1385 145,1395 cw(c170,1395) 170,1420 350,1420 ccw(c350,1450) 380,1450 380,1570 cw(c400,1570) 400,1590 v1(490,1590)
  Bottom Layer w10: v1(109.21,1332.78) 109.21,1300.28 ccw(c139.21,1300.28) 139.21,1270.28 254.21,1270.28 ; USB1.B7@313.43,1250.75 273.74,1250.75 cw(c273.74,1270.28) 254.21,1270.28 ; USB1.A7@313.43,1290.12 274.06,1290.12 ccw(c274.06,1270.28) 254.21,1270.28 ; v1(490,1590) 490,1553.23 511.77,1531.46 U4.7@700,1531.46
USB_DM: R17.2 U1.44 | length 5391
  Top Layer w6: v1(1623,1470.49) 1623,1473 1633.9,1483.9 U1.44@1693.5,1483.9 ; v1(2445,1325) 2445,1305.56 2533.56,1217 2697,1217 2730.74,1250.74 v1(2744,1252.5) ; v1(2799,1251.25) 2876.25,1251.25 v1(2895,1270)
  Bottom Layer w6: v1(205,1385) 184,1406 75,1406 61,1420 60.5,1420 60.5,1468.23 61,1468.73 61,1585.44 289.56,1814 2785.44,1814 2910,1689.44 2910,1285 v1(2895,1270) ; v1(1623,1470.49) 1623,1447.96 1640.96,1430 1675,1430 ccw(c1675,1450) 1695,1450 1695,1505 cw(c1720,1505) 1720,1530 1774.29,1530 1876.29,1428 1973,1428 2000,1455 2315,1455 v1(2445,1325) ; v1(2744,1252.5) v1(2799,1251.25)
USB_DP: R21.2 U1.45 | length 5473.3
  Top Layer w6: v1(1623,1499.98) 1626.25,1499.98 1629.85,1503.58 U1.45@1693.5,1503.58 ; v1(2375,1335) 2525,1185 v1(2730,1185) ; v1(2799,1225) 2885,1225 v1(2905,1245)
  Bottom Layer w6: v1(205,1335) 205,1348.53 158.53,1395 64.5,1395 49.5,1410 49.5,1472.79 50,1473.28 50,1590 285,1825 2790,1825 2921,1694 2921,1261 v1(2905,1245) ; v1(1623,1499.98) ccw(c1623,1482.98) 1606,1482.98 1606,1449.4 1673.4,1382 1810.23,1382 1833.23,1405 1981.11,1405 2005.81,1429.69 2280.31,1429.69 v1(2375,1335) ; v1(2730,1185) 2730,1211.04 2743.96,1225 v1(2799,1225)
VBUS_S: C25.2 R11.1 R13.2 U1.22 | length 431.9
  Top Layer w10: R13.2@1175,1010 C25.2@1235,1010 R11.1@1295,1010 1412.47,1010 1425.79,1023.31 1425.79,1054.17 1428.75,1057.13 1428.75,1072.87 1425.79,1075.83 U1.22@1425.79,1196.5
VCC: C1.2 C2.2 C3.2 C4.2 C6.2 C7.2 C8.2 C29.2 C30.2 C31.2 C58.2 J1.5 OLED1.4 R2.2 R6.1 R7.1 R8.1 R14.2 R15.2 R16.2 R18.2 R19.2 R20.2 R23.2 R24.2 R27.2 R29.2 TP1.1 U1.1 U1.19 U1.32 U1.48 U1.64 U2.2 U2.4 U4.19 U7.49 U8.49 | length 2027.6
  Top Layer w10: v1(250,1225) C29.2@280,1225 C30.2@280,1278 C31.2@280,1330 ; U8.49@947.2,1215 947.2,1242.2 cw(c975,1242.2) v1(975,1270) ; v1(1140,1260) R6.1@1140,1225 R7.1@1140,1190 1140,1180 ccw(c1155,1180) 1155,1165 1185,1165 cw(c1185,1140) 1210,1140 1210,1115 ccw(c1235,1115) v1(1235,1090) 1265,1090 ccw(c1265,1110) 1285,1110 1285,1120 cw(c1300,1120) 1300,1135 1355,1135 ccw(c1355,1146.39) 1366.39,1146.39 1366.39,1196.15 U1.19@1366.73,1196.5 ; v1(1200,1580) ccw(c1217.36,1580) 1217.36,1562.64 U1.1@1255.5,1562.64 ; v1(1310,1655) 1326.53,1655 1327.36,1654.16 U1.64@1327.36,1633.5 ; U1.32@1622.64,1196.5 1622.64,1195.84 1623.47,1195 v1(1660,1195) ; U1.48@1693.5,1562.64 1693.85,1562.98 1727.98,1562.98 1740,1575 v1(1740,1595) ; U7.49@2259.65,1215 2259.65,1279.65 v1(2299,1319) 2340,1360 2435,1360 v3(2435.23,1360.23)
  Bottom Layer w10: v1(350,1660) 350,1659.41 U4.19@402.91,1659.41 ; v1(1269,1639) 1269.5,1639.5 1269.5,1654.5 C6.2@1270,1655 v1(1310,1655) C8.2@1350,1655 R2.2@1390,1655 ; v1(1360,365) R19.2@1405,365 R20.2@1450,365 R14.2@1495,365 v1(1540,365) v1(1585,365) ; v3(2435.23,1360.23) 2435.46,1360 2465,1360 R27.2@2495,1330 ; R23.2@2495,1230 R24.2@2495,1275 R27.2@2495,1330 ; OLED1.4@2640,1440.12 2546.33,1440.12 2541.21,1435 2515,1435 R29.2@2495,1415 2515,1395 2515,1350 R27.2@2495,1330 ; v3(2670,1725) TP1.1@2670,1760
  other v1: 945,1570 655,1775
VPP_9V: C50.2 C51.2 D5.2 OLED1.2 R26.2 | length 580.5
  Bottom Layer w6: C50.2@2535,1495 C50.2@2535.12,1495.12 ; OLED1.2@2639.88,1495.12 OLED1.2@2640,1495.24
  Bottom Layer w15: D5.2@2310,1560 2340,1530 2500,1530 C50.2@2535,1495 2535,1525 2561.25,1551.25 2576.25,1551.25 R26.2@2605,1580 2580,1605 2580,1635 C51.2@2605,1660 ; C50.2@2535.12,1495.12 OLED1.2@2639.88,1495.12
pads on no net: JP1.0 JP2.0 K1.0 K2.0 K3.0 OLED1.1 OLED1.13 ON1.1 ON1.EH Q3.7 Q3.9 Q3.10 Q3.11 Q4.7 Q4.9 Q4.10 Q4.11 Q5.7 Q5.9 Q5.10 Q5.11 Q6.7 Q6.9 Q6.10 Q6.11 Q7.7 Q7.9 Q7.10 Q7.11 Q8.7 Q8.9 Q8.10 Q8.11 Q9.7 Q9.9 Q9.10 Q9.11 Q10.7 Q10.9 Q10.10 Q10.11 Q11.7 Q11.9 Q11.10 Q11.11 Q12.7 Q12.9 Q12.10 Q12.11 Q13.7 Q13.9 Q13.10 Q13.11 Q14.7 Q14.9 Q14.10 Q14.11 TPS1.0 U1.20 U1.25 U1.61 U1.62 U2.0 U3.0 U4.1 U4.2 U4.11 U4.12 U4.13 U4.14 U4.15 U4.16 U4.17 U4.18 U4.20 U7.4 U7.5 U7.55 U7.56 U8.1 U8.2 U8.3 U8.4 U8.5 U8.50 U8.51 U8.52 U8.53 U8.54 U8.56 USB1.0 USB1.A5 USB1.A8 USB1.B5 USB1.B8
copper on no net:
  other v5: 590,135 1110,135 1845,135 2365,135

## Polygon pours and split planes (outlines as drawn)
GND on Top Layer "Top Layer-No Net" (solid, pour order 83): -10.02,119.91 cw(c0,119.92) -10.02,119.92 cw(c0,119.92) -10.02,120 -10.02,1800 cw(c0,1800) -10.01,1800.34 cw(c0,1800.34) -10,1800.69 cw(c82.5,1797.5) 85.31,1890.02 2904.62,1890.02 cw(c2907.5,1797.5) 3000,1800.69 cw(c2990,1800.35) 3000.01,1800.35 cw(c2990,1800.35) 3000.01,1800.22 cw(c2990,1799.88) 3000.02,1799.88 3000.02,115 cw(c2990,115) 2999.68,112.42 ccw(c2989.66,112.42) 2999.68,112.42 cw(c2989.66,112.42) 2999.64,111.53 cw(c2905,120) 2905,24.98 85,24.98 cw(c85,120)
PGND on Top Layer "PGND_L01_P081" (solid, pour order 81): 65,425 65,225 240,225 240,315 295,315 295,425
SH1_C on Top Layer "SH1_C_L01_P051" (solid, pour order 51): 650,650 460,650 460,450 600,310 600,250 775,250 775,365 650,490
SH_A on Top Layer "SH_A_L01_P050" (solid, pour order 50): 2325,650 2515,650 2515,455 2310,250 2180,250 2180,425 2290,425 2325,460
SH_B on Top Layer "SH_B_L01_P049" (solid, pour order 49): 2005,650 2190,650 2190,445 2170,425 2170,250 2040,250 2040,425 2005,460
SH_C on Top Layer "SH_C_L01_P048" (solid, pour order 48): 1680,650 1870,650 1870,450 1910,410 2030,410 2030,250 1890,250 1680,460
SH1_A on Top Layer "SH1_A_L01_P047" (solid, pour order 47): 1305,650 1115,650 1115,470 1045,400 925,400 925,250 1090,250 1125,285 1305,465
SH1_B on Top Layer "SH1_B_L01_P046" (solid, pour order 46): 975,650 785,650 785,250 910,250 910,395 975,460
SL_B on Top Layer "SL_B_L01_P042" (solid, pour order 42): 2225,600 2225,460 2285,460 2285,600
SL_C on Top Layer "SL_C_L01_P041" (solid, pour order 41): 1900,600 1900,460 1960,460 1960,600
SH_A on Top Layer "SH_A_L01_P040" (solid, pour order 40): 2545,850 2545,710 2605,710 2605,850
SH_B on Top Layer "SH_B_L01_P039" (solid, pour order 39): 2225,850 2225,710 2285,710 2285,850
SH_C on Top Layer "SH_C_L01_P038" (solid, pour order 38): 1895,850 1895,710 1955,710 1955,850
5V on Top Layer "5V_L01_P007" (solid, pour order 7): 2585,1530 2585,1360 2745,1360 2745,1275 2495,1275 2495,1530
SH1_A on Top Layer "SH1_A_L01_P034" (solid, pour order 34): 1025,900 1025,760 1085,760 1085,900
SH1_C on Top Layer "SH1_C_L01_P032" (solid, pour order 32): 370,900 370,760 430,760 430,900
NetDC1_1 on Top Layer "NETDC1_1_L01_P077" (solid, pour order 77): 275,505 275,900 65,900 65,505
SH1_B on Top Layer "SH1_B_L01_P033" (solid, pour order 33): 700,900 700,760 760,760 760,900
SL1_C on Top Layer "SL1_C_L01_P075" (solid, pour order 75): 420,540 450,540 450,430 430,430 430,510 420,510
DCBUS on Top Layer "DCBUS_L01_P071" (solid, pour order 71): 1325,980 cw(c1325,975) 1330,975 1330,720 cw(c1325,720) 1325,715 1270,715 cw(c1270,720) 1265,720 1265,975 cw(c1270,975) 1270,980
DCBUS on Top Layer "DCBUS_L01_P066" (solid, pour order 66): 560,1245 540,1245 540,1140 520,1140 520,1035 560,1035
DCBUS on Top Layer "DCBUS_L01_P064" (solid, pour order 64): 1875,1240 1785,1240 1785,1145 1835,1145 1835,1185 1875,1185
DCBUS on Top Layer "DCBUS_L01_P060" (solid, pour order 60): 2330,1245 2365,1245 2365,1190 2435,1120 2460,1120 2460,1075 2380,1075 2380,1120 2330,1170
PGND on Top Layer "PGND_L01_P043" (solid, pour order 43): 2545,600 2545,460 2605,460 2605,600
PGND on Top Layer "PGND_L01_P037" (solid, pour order 37): 1025,650 1025,510 1085,510 1085,650
SL1_B on Top Layer "SL1_B_L01_P036" (solid, pour order 36): 700,650 700,510 760,510 760,650
SL1_C on Top Layer "SL1_C_L01_P035" (solid, pour order 35): 370,650 370,510 430,510 430,650
GND on Bottom Layer "Bottom Layer-No Net" (solid, pour order 87): 4.99,119.94 cw(c85,120) 4.99,120 4.98,120 4.99,1800 cw(c10,1800) 4.99,1800.17 cw(c82.5,1797.5) 85.07,1875.02 2904.87,1875.02 cw(c2907.5,1797.5) 2985.01,1800.17 cw(c2980,1800) 2985.01,1800 cw(c2980,1800) 2985.01,1799.91 2985.02,115 cw(c2980,115) 2984.74,113.36 cw(c2905,120) 2905,39.99 85,39.99 cw(c85,120)
DCBUS on Bottom Layer "DCBUS_L04_P080" (solid, pour order 80): 455,695 65,695 65,985 275,985 275,820 465,820
PGND on Bottom Layer "PGND_L04_P079" (solid, pour order 79): 335.67,626.01 275,565.34 275,525 65,525 65,315 295,315 295,420 359.29,484.29
DCBUS on Bottom Layer "DCBUS_L04_P065" (solid, pour order 65): 1785,1240 1785,900 1675,900 1675,710 1870,710 1870,1240
SL1_B on Bottom Layer "SL1_B_L04_P076" (solid, pour order 76): 980,425 1015,425 1015,520 980,520
SL1_C on Bottom Layer "SL1_C_L04_P074" (solid, pour order 74): 480,540 430,540 430,430 480,430
PGND on Bottom Layer "PGND_L04_P054" (solid, pour order 54): 325,615 375,665 2525,665 2525,415 2415,415 2415,580 2090,580 2090,415 1985,415 1985,580 1215,580 1215,415 1110,415 1110,575 775,575 775,415 680,415 680,575 450,575 350,475 325,475
SL_C on Bottom Layer "SL_C_L04_P069" (solid, pour order 69): 1780,565 1960,565 1960,425 1780,425
DCBUS on Bottom Layer "DCBUS_L04_P068" (solid, pour order 68): 555,1140 520,1140 520,900 460,900 460,695 650,695 650,895 555,990
DCBUS on Bottom Layer "DCBUS_L04_P061" (solid, pour order 61): 2380,1120 2380,900 2330,900 2330,695 2515,695 2515,1120
PGND on Bottom Layer "PGND_L04_P059" (solid, pour order 59): 1085,595 1085,510 1025,510 1025,595
PGND on Bottom Layer "PGND_L04_P056" (solid, pour order 56): 2605,600 2505,600 2505,455 2605,455
DCBUS on Bottom Layer "DCBUS_L04_P052" (solid, pour order 52): 2525,695 2525,825 455,825 455,695
VCC on PWR03 (split plane): 2913.38,1849.7 2919.19,1848.71 2924.85,1847.08 2930.29,1844.83 2935.45,1841.98 2940.25,1838.57 2944.64,1834.64 2948.57,1830.25 2951.97,1825.45 2954.82,1820.29 2957.08,1814.85 2958.71,1809.19 2959.7,1803.38 2959.9,1799.7 2959.9,120 2959.9,118.52 2959.64,113.84 2958.61,107.76 2956.9,101.84 2954.54,96.14 2951.56,90.75 2947.99,85.72 2943.88,81.12 2939.28,77.01 2934.25,73.44 2928.86,70.46 2923.16,68.1 2917.24,66.39 2911.16,65.36 2905.54,65.04 2905,65.1 85,65.1 84.46,65.04 78.84,65.36 72.76,66.39 66.84,68.1 61.14,70.46 55.75,73.44 50.72,77.01 46.12,81.12 42.01,85.72 38.44,90.75 35.46,96.14 33.1,101.84 31.39,107.76 30.36,113.84 30.04,119.46 30.1,120 30.1,1799.68 30.3,1803.38 31.29,1809.19 32.92,1814.85 35.18,1820.29 38.03,1825.45 41.43,1830.25 45.36,1834.64 49.75,1838.57 54.55,1841.97 59.71,1844.82 65.15,1847.08 70.81,1848.71 76.62,1849.7 82.5,1850.03 84.31,1849.92 84.31,1849.97 85,1849.9 2905,1849.9 2905.69,1849.97 2905.69,1849.93 2907.5,1850.03
GND on GND02 (split plane): 2913.38,1849.7 2919.19,1848.71 2924.85,1847.08 2930.29,1844.83 2935.45,1841.98 2940.25,1838.57 2944.64,1834.64 2948.57,1830.25 2951.97,1825.45 2954.82,1820.29 2957.08,1814.85 2958.71,1809.19 2959.7,1803.38 2959.9,1799.7 2959.9,120 2959.9,118.52 2959.64,113.84 2958.61,107.76 2956.9,101.84 2954.54,96.14 2951.56,90.75 2947.99,85.72 2943.88,81.12 2939.28,77.01 2934.25,73.44 2928.86,70.46 2923.16,68.1 2917.24,66.39 2911.16,65.36 2905.54,65.04 2905,65.1 85,65.1 84.46,65.04 78.84,65.36 72.76,66.39 66.84,68.1 61.14,70.46 55.75,73.44 50.72,77.01 46.12,81.12 42.01,85.72 38.44,90.75 35.46,96.14 33.1,101.84 31.39,107.76 30.36,113.84 30.04,119.46 30.1,120 30.1,1799.68 30.3,1803.38 31.29,1809.19 32.92,1814.85 35.18,1820.29 38.03,1825.45 41.43,1830.25 45.36,1834.64 49.75,1838.57 54.55,1841.97 59.71,1844.82 65.15,1847.08 70.81,1848.71 76.62,1849.7 82.5,1850.03 84.31,1849.92 84.31,1849.97 85,1849.9 2905,1849.9 2905.69,1849.97 2905.69,1849.93 2907.5,1850.03

## Keep-outs
Keep-Out Layer:
  lines w10: 2980,115 2980,1800 ccw(c2907.5,1797.5) 2905,1870 85,1870 ccw(c82.5,1797.5) 10,1800 10,120 ccw(c85,120) 85,45 2905,45 ccw(c2905,120) 2980,120

## Silkscreen, mask and mechanical layers (free items; w line width, h text height)
Top Overlay:
  drawing of 4982 lines, arcs and shapes, not listed
  text "Cortex M4" at 1348,1763.67 h60
  text "No POW" at 725,1745.67 h60
  text "With POW" at 2040,1740.67 h60
  text "GND" at 2695,1615.67 h60
  text "68uF|16V" at 2695,1563.22 h70
  text "-" at 2885,1426.89 h120
  text "+" at 2805,1413.89 h120
  text "+5V" at 2758,1289.2 h100
  text "48V" at 1735,1255.67 h60
  text "220" at 2759.89,1196.33 h120
  text "DEBUS" at 1846,1136.48 h40
  text "AGND" at 1410,1065.48 h40
  text "GND" at 1530,1060.67 h60
  text "48V" at 465,995.67 h60
  text "DEBUS" at 576,986.48 h40
  text "PB10" at 1635,930.72 h60
  text "BEEP" at 1350,760 h130
  text "PGND" at 290,325.78 h70
  text "GND" at 480,320.89 h80
  text "5V" at 1239.56,285 h40 r90
  text "GND" at 1279.56,285 h40 r90
  text "A_Phase" at 1317.9,285 h40 r90
  text "B_Phase" at 1357.9,285 h40 r90
  text "C_Phase" at 1397.9,285 h40 r90
  text "5V" at 1579.56,285 h40 r90
  text "GND" at 1619.56,285 h40 r90
  text "A_Phase" at 1657.9,285 h40 r90
  text "B_Phase" at 1697.9,285 h40 r90
  text "C_Phase" at 1737.9,285 h40 r90
  text "L1" at 95,240 h90
  text "2.2uH" at 164.94,140.61 h60
Bottom Overlay:
  drawing of 3487 lines, arcs and shapes, not listed
  text "电源电压测试点" at 2620,1800.41 h65
  text "VCC" at 2816.94,1743.67 h60
  text "AVCC" at 2250,1740.67 h60
  text "GVDD" at 2460,1740.67 h60
  text "5V" at 2610,1740.67 h60
  text "5V指示灯" at 955,1730.22 h60
  text "VCC指示灯" at 1554.94,1725.22 h60
  text "AVCC指示灯" at 2020,1725.22 h60
  text "9V" at 2267.07,1557.02 h40
  text "5V" at 2419,1556.48 h40
  text "复位" at 1110,1381.96 h80
  text "502" at 1489,1371.48 h40
  text "XMU" at 1500,1325.48 h40
  text "12M" at 640,1195 h100
  text "Field Oriented Control Motor Driver" at 1925,1060.72 h60
  text "128x80  OLED" at 2815,1061.11 h100
  text "DEBUS LED" at 690,1040.72 h60
  text "Designed By" at 2505,976.27 h60
  text "双通道矢量控制驱动器V2.0" at 1930,963.51 h100
  text "ON" at 368.56,960 h120 r90
  text "小牧同学" at 2494.91,868.88 h100
  text "测试评估板" at 1139.91,854.71 h100
  text "BLDC   PMSM" at 1895,851.33 h120
  text "OFF" at 362,792 h60 r90
  text "ixiaomu.zicp.net" at 2505,780.99 h90
  text "CLK" at 2940,766.11 h100
  text "DIO" at 2935,666.2 h100
  text "+" at 391.66,625 h180 r90
  text "GND" at 2935,556.2 h100
  text "PA5" at 1530,510.72 h60
  text "Test LED" at 1595,445.61 h60
  text "SWD程序写入" at 2533.7,420 h100 r270
  text "-" at 296.44,345 h90 r270
  text "Enc1" at 1465,202.12 h120
  text "Enc0" at 1720,202.12 h120
  text "KEY1" at 505,115 h90 r270
  text "KEY2" at 175,105 h90 r270
  text "M0" at 2230,97.89 h240
  text "M1" at 975,95 h240
Mechanical 1:
  lines w20: 0,119.92 ccw(c85,120) 85,35 2905,35 ccw(c2905,120) 2989.66,112.42 ; 0,119.92 cw(c85,120) 0,120 ; 0,119.92 cw(c10,120) 0,120 ; 0,119.92 cw(c10,120) 0,120 ; 0,120 0,1800 cw(c10,1800) 0,1800.34 cw(c82.5,1797.5) 85.15,1880 2904.78,1880 cw(c2907.5,1797.5) 2990,1800.35 cw(c2980,1800) 2990,1800 ; 2989.66,112.42 ccw(c2980,115) 2990,115 ; 2989.66,112.42 ccw(c2980,115) 2990,115 ; 2990,115 ccw(c2980,115) 2990,115 ; 2990,115 2990,120 ; 2990,115 2990,1799.88 ; 2990,115 2990,115 ; 2990,120 ccw(c2980,120) 2990,120 ; 2990,1799.88 ccw(c2980,1800) 2990,1800 ; 2990,1799.88 ccw(c2980,1800) 2990,1800 ; 2990,1799.88 2990,1800